# Altium PCB EPS_v3.PcbDoc (part 2 of 2)
Units mm, origin at the board's own origin, x right, y up, seen from the top; angles counter-clockwise.
Board outline 92.5 x 92.5 mm, 4 copper layers (Top Layer, Internal Plane 1, Internal Plane 2, Bottom Layer), stack 0.778 mm thick; 216 components, 118 nets, 685 pads, 77 vias.
Unrouted connection lines stored in the file: 15.
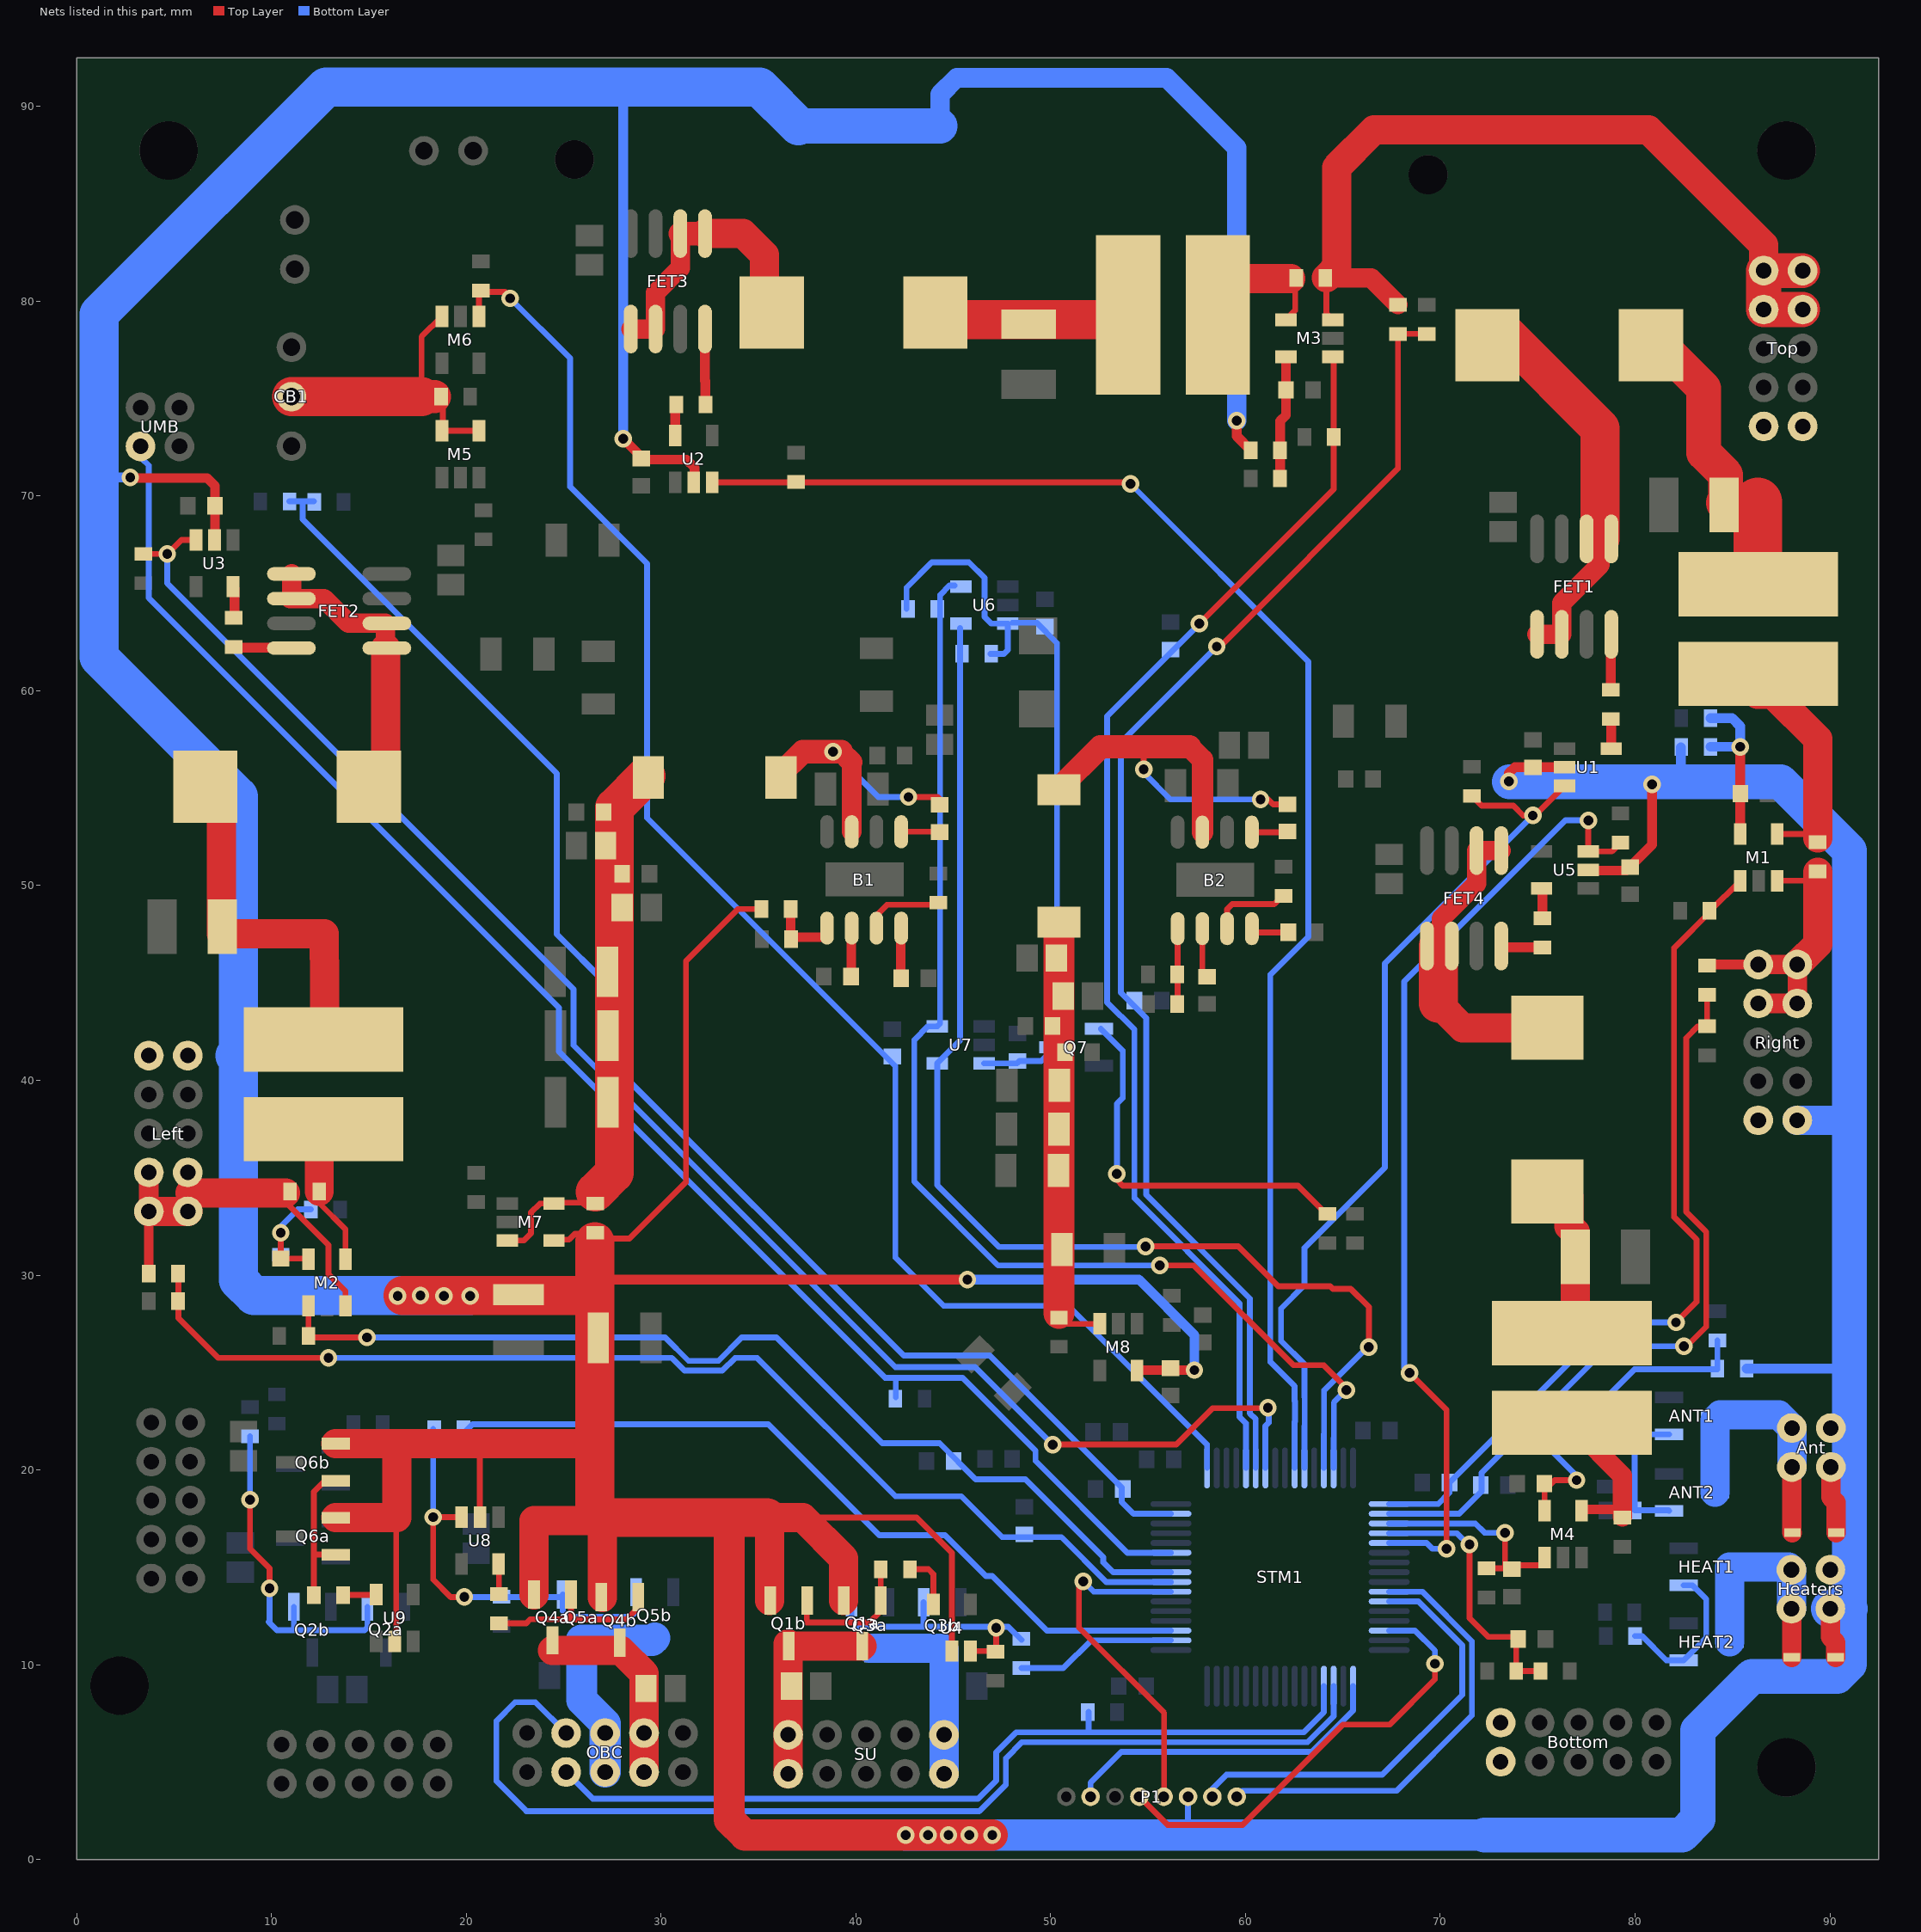
[diagram p4: the nets of this part, all layers, seen from the top]

## Via types
v1: diameter 0.9, hole 0.5, Top Layer to Bottom Layer, 77 vias

## Nets (pads, with @x,y where several pads share a name; then routed paths per layer and width w, separated by ;. In a path a pad name is that pad's centre, name@x,y a point inside that pad or via, vN(x,y) a via of type N, cw(c..) or ccw(c..) an arc to the next point about the centre after c; other vN are vias at no path point) (continued)
IBAT-: C33.2 M6.1 R32.1 STM1.17 | length 81.7
  Top Layer w0.3: M6.1@20.65,79.225 20.65,80.45 20.625,80.475 22,80.475 22.25,80.225 v1(22.25,80.15)
  Bottom Layer w0.3: v1(22.25,80.15) 25.325,77.075 25.325,70.475 29.275,66.525 29.275,53.475 42.025,40.725 42.025,30.9 44.5,28.425 50.9,28.425 58.025,21.3 STM1.17@58.025,20.1
INCURRENT1: C39.2 M1.1 R5.2 STM1.33 | length 44
  Top Layer w0.3: v1(82.1,27.575) 83.15,28.625 83.15,31.825 82,32.975 82,46.8 R5.2@83.975,48.775 ; R5.2@83.825,48.7 83.85,48.7 M1.1@85.4,50.25
  Bottom Layer w0.3: STM1.33@67.375,18.25 69.9,18.25 70.475,18.825 C39.2@70.475,19.35 78.7,27.575 v1(82.1,27.575)
INCURRENT2: C48.2 M2.1 R13.2 STM1.9 | length 51.9
  Top Layer w0.3: R13.2@11.9,26.8 v1@14.85,26.8 ; R13.2@11.9,26.875 M2.1@11.9,28.425
  Bottom Layer w0.3: v1(14.9,26.8) 30.209,26.8 31.409,25.6 32.941,25.6 34.141,26.8 35.925,26.8 41.35,21.375 44.3,21.375 46.15,19.525 48.7,19.525 52.7,15.525 52.7,15.25 53.2,14.75 STM1.9@56.175,14.75
INCURRENT3: C35.2 M3.1 R21.2 STM1.21 | length 64.8
  Top Layer w0.3: v1(57.625,63.45) 64.525,70.35 M3.1@64.525,77.15
  Bottom Layer w0.3: v1@57.637,63.437 52.9,58.7 52.9,44 54.3,42.6 54.3,33.95 59.7,28.55 59.7,22.722 60.025,22.397 STM1.21@60.025,20.1
INCURRENT4: C45.2 M4.1 R29.2 STM1.35 | length 11.3
  Top Layer w0.3: R29.2@72.3,14.95 73.5,14.95 C45.2@73.55,14.9 ; v1(73.325,16.775) 73.325,15.1 M4.1@75.5,15.1
  Bottom Layer w0.3: STM1.35@67.375,17.25 71.8,17.25 72.275,16.775 v1(73.325,16.775)
LEFT: Left.1 Left.2 Left.3 Left.4 M2.3 R7.2 R10.2 | length 20.8
  Top Layer w0.3: R7.2@10.925,34.025 10.925,33.55 12.925,31.55 12.925,30.05 13.8,29.175 M2.3@13.8,28.425
  Top Layer w0.5: R10.2@3.7,30.125 Left.2@3.7,33.275
  Top Layer w1: Left.2@3.7,33.275 Left.4@3.7,35.275 ; Left.1@5.7,33.275 Left.3@5.7,35.275
  Top Layer w1.5: Left.2@3.7,33.275 Left.1@5.7,33.275 ; 5.825,34.225 R7.2@10.725,34.225
NetANT1_1: ANT1.1 ANT2.1 R27.1 | length 7
  Bottom Layer w0.3: ANT2.1@81.75,17.9 81.725,17.925 R27.1@79.975,17.925 79.975,21.1 80.7,21.825 ANT1.1@81.75,21.825
NetANT1_3: ANT1.3 ANT2.3 Ant.1 Ant.2 D5.1 | length 13.4
  Top Layer w1: Ant.2@88.05,20.15 88.05,16.8 D5.1@88.075,16.775
  Bottom Layer w1.5: ANT2.3@84.1,18.85 84.1,22.55 84.375,22.825 87.375,22.825 Ant.1@88.05,22.15 Ant.2@88.05,20.15
NetB1_1: B1.1 C25.1 | length 2.2
  Top Layer w0.3: B1.1@42.327,52.765 44.485,52.765 C25.1@44.5,52.75
NetB1_3: B1.3 C25.2 L9.1 | length 14.9
  Top Layer w0.3: v1(42.7,54.55) 44.2,54.55 44.3,54.45 C25.2@44.3,54.15
  Top Layer w1: B1.3@39.787,52.765 39.787,56.338
  Top Layer w1.1: v1@39.25,56.875 39.787,56.338
  Top Layer w1.2: L9.1@36.025,55.625 37.275,56.875 v1(38.825,56.875) v1@39.25,56.875
  Bottom Layer w0.3: v1(38.825,56.875) 41.15,54.55 v1(42.7,54.55)
NetB1_5: B1.5 RFB1.1 RFB2.2 | length 3.1
  Top Layer w0.5: RFB1.1@36.65,48.65 36.65,47.35 B1.5@38.482,47.35
NetB1_6: B1.6 C30.1 | length 2
  Top Layer w0.5: C30.1@39.762,45.325 B1.6@39.762,47.34
NetB1_7: B1.7 R43.2 | length 3.7
  Top Layer w0.3: B1.7@41.057,47.815 41.057,48.482 41.59,49.015 43.86,49.015 R43.2@43.875,49
NetB1_8: B1.8 C29.2 | length 2.3
  Top Layer w0.5: C29.2@42.302,45.052 B1.8@42.302,47.34
NetB2_1: B2.1 C38.1 | length 1.8
  Top Layer w0.3: B2.1@60.327,52.74 62.135,52.74 C38.1@62.15,52.725
NetB2_3: B2.3 C38.2 L10.1 | length 21.6
  Top Layer w0.3: v1(54.775,55.975) 54.775,57.075 54.825,57.125 ; v1(60.775,54.425) 61.175,54.425 61.425,54.175 C38.2@62.15,54.175
  Top Layer w1.1: 57.125,57.125 57.787,56.463 B2.3@57.787,52.74
  Top Layer w1.2: L10.1@50.425,55 52.55,57.125 54.825,57.125 57.125,57.125
  Bottom Layer w0.3: v1(54.775,55.975) 54.775,55.8 56.15,54.425 v1(60.775,54.425)
NetB2_5: B2.5 RFB3.1 RFB4.2 | length 3.6
  Top Layer w0.3: RFB3.1@56.517,44.025 B2.5@56.517,47.59
NetB2_6: B2.6 C44.1 | length 2.4
  Top Layer w0.3: B2.6@57.787,47.59 57.787,45.363 C44.1@57.875,45.275
NetB2_7: B2.7 R44.2 | length 4.2
  Top Layer w0.3: B2.7@59.057,47.79 59.057,48.782 59.325,49.05 61.475,49.05 R44.2@61.95,49.525
NetB2_8: B2.8 C43.2 | length 1.9
  Top Layer w0.3: B2.8@60.327,47.59 C43.2@62.19,47.59
NetBottom_9: Bottom.9
NetC2_2: C2.2 L1.2 L2.1 | length 15.8
  Top Layer w1.8: L2.1@80.775,78.275 83.525,75.525 83.525,72.219 84.65,71.094 C2.2@84.65,69.65
  Top Layer w2: C2.2@84.65,69.65 84.7,69.7 86.3,69.7
  Top Layer w2.5: L1.2@86.3,65.775 86.3,69.7
NetC8_2: C8.2 M2.5 W3.1 W4.1 | length 6.1
  Top Layer w0.3: v1(10.475,32.175) C8.2@10.475,30.85 M2.5@11.875,30.85
  Bottom Layer w0.3: W3.1@10.475,31.05 v1(10.475,32.175) 10.475,32.5 11.35,33.375 W4.1@12.025,33.375
NetC10_2: C10.2 M1.5 W1.1 W2.1 | length 8.8
  Top Layer w0.5: M1.5@85.4,52.65 C10.2@85.4,54.725 v1(85.4,57.125)
  Bottom Layer w0.5: W1.1@83.875,57.125 85.3,57.125 85.35,57.175 v1(85.4,57.125) 85.4,58.175 84.975,58.6 W2.1@83.875,58.6
NetC11_2: C11.2 M4.5 W7.1 W8.1 | length 16.9
  Top Layer w0.3: M4.5@75.35,17.9 75.35,18.95 75.875,19.475 v1(77,19.475)
  Bottom Layer w0.3: v1(77,19.475) 77.225,19.475 75.748,20.952 79.97,25.175 W7.1@84.225,25.175 ; W7.1@84.225,25.2 W8.1@84.225,26.65
NetC13_2: C13.2 M3.5 W5.1 W6.1 | length 6.4
  Top Layer w0.5: W6.1@61.775,70.9 W5.1@61.775,72.35 61.775,73.85 62.075,74.15 C13.2@62.075,75.45 M3.5@62.075,77.15
NetC15_2: C15.2 L3.2 L4.1 | length 18.7
  Top Layer w1.5: L4.1@6.45,55.1 7.425,54.125 7.425,47.525 12.7,47.525 12.75,42.175 L3.2@12.675,42.1
NetC19_2: C19.2 L5.2 L6.1 | length 10.2
  Top Layer w1.5: L5.2@53.2,80.55 L5.2@53.875,81.225
  Top Layer w2: L6.1@44.45,79.05 48.8,79.05 L5.2@53.725,79.05
NetC22_2: C22.2 L7.2 L8.1 | length 9.5
  Top Layer w1: L8.1@75.05,33.425 75.713,34.088 L8.1@75.95,34.325
  Top Layer w1.5: L8.1@75.95,34.325 76.325,34.325 76.6,34.05 76.6,32.525 76.925,32.2 76.925,31.1 L7.2@76.925,26.725
NetC27_2: C27.2 C76.1 C77.1 C78.1 C82.2 C83.2 C86.1 L9.2 M7.3 M7.5 R37.2 | length 28.4
  Top Layer w0.3: M7.3@22.1,31.775 22.95,31.775 23.325,32.15 23.325,33.225 23.775,33.675 M7.5@24.5,33.675 ; M7.5@24.45,33.725 R37.2@26.625,33.725
  Top Layer w2: 26.625,34.275 27.6,35.25 27.6,54 L9.2@29.225,55.625
NetC41_2: C41.2 C71.2 C72.2 C73.2 C79.2 C84.2 C85.2 C87.1 L10.2 M8.3 R40.2 | length 22.2
  Top Layer w0.3: R40.2@50.425,27.65 50.575,27.5 M8.3@52.525,27.5
  Top Layer w1.6: R40.2@50.425,28.05 L10.2@50.425,48.125
NetC55_1: C55.1 C60.1 Q7.3 R59.1 R60.1 U6.3 U7.3 | length 39.2
  Bottom Layer w0.3: R59.1@42.6,64.2 42.6,65.3 43.9,66.6 45.8,66.6 46.6,65.8 46.6,63.8 46.95,63.45 U6.3@47.8,63.45 47.8,62.1 47.6,61.9 R60.1@46.9,61.9 ; U7.3@46.575,40.875 48.275,40.875 48.4,41 49.525,41 50.325,41.8 50.325,62.45 49.275,63.5 U6.3@48.025,63.5
NetCB1_2: CB1.2 M5.4 M5.5 M6.3 R31.2 | length 15.6
  Top Layer w0.3: 17.7,75.1 17.7,78.175 M6.3@18.75,79.225 ; R31.2@18.85,75.1 18.8,75.05 18.8,73.35 M5.4@20.7,73.35
  Top Layer w1.7: 17.7,75.1 R31.2@18.375,75.1
  Top Layer w2: CB1.2@11.025,75.1 17.7,75.1
NetD1_1: Top.10
NetD2_1: Left.10
NetD3_1: Right.9
NetD6_1: D6.1 HEAT1.3 HEAT2.3 Heaters.1 Heaters.2 | length 11.6
  Top Layer w1: Heaters.2@88.025,12.875 88.05,12.85 D6.1@88.05,10.375
  Bottom Layer w1.5: HEAT2.3@84.85,11.175 HEAT1.3@84.85,15.025 87.875,15.025 Heaters.1@88.025,14.875 Heaters.2@88.025,12.875
NetDEPLOY1_1: 
NetDEPLOY2_2: 
NetDEPLOY3_1: 
NetDEPLOY4_1: 
NetFET1_1: FET1.1 FET1.2 FET1.5 FET1.6 L2.2 | length 19.5
  Top Layer w1: FET1.1@74.97,62.9 FET1.2@76.24,62.9 76.24,64.515 78.2,66.475 78.2,67.8
  Top Layer w2: L2.2@73.35,78.325 78.2,73.475 78.2,67.8
NetFET1_4: FET1.4 R6.2 | length 2.9
  Top Layer w0.5: R6.2@78.75,60.05 78.75,62.87 FET1.4@78.78,62.9
NetFET2_1: FET2.1 FET2.2 FET2.5 FET2.6 L4.2 | length 15.5
  Top Layer w1: FET2.2@10.95,64.735 12.69,64.735 13.95,63.475 FET2.6@15.84,63.475 ; FET2.2@11.035,64.75 FET2.1@11.035,66.02 ; L4.2@14.85,55.1 L4.2@15.85,56.1 ; FET2.5@15.85,62.195 FET2.6@15.85,63.465
  Top Layer w1.5: L4.2@15.85,56.1 FET2.5@15.85,62.195
NetFET2_4: FET2.4 R14.2 | length 3
  Top Layer w0.5: R14.2@8.05,62.21 FET2.4@11.035,62.21
NetFET3_1: FET3.1 FET3.2 FET3.5 FET3.6 L6.2 | length 14.6
  Top Layer w1: FET3.1@28.445,78.575 FET3.2@29.715,78.575 29.715,80.44 30.985,81.71 FET3.6@30.985,83.475
  Top Layer w1.2: FET3.6@30.985,83.475 FET3.5@32.255,83.475
  Top Layer w1.5: FET3.5@32.255,83.475 34.2,83.475 35.3,82.375 35.3,79.8 L6.2@35.675,79.425
NetFET3_4: FET3.4 R22.2 | length 3.9
  Top Layer w0.5: 32.25,75.925 32.275,75.9 R22.2@32.275,74.6 ; 32.255,75.97 FET3.4@32.255,78.575
NetFET4_1: FET4.1 FET4.2 FET4.5 FET4.6 L8.2 | length 15.4
  Top Layer w1: 70.05,47.44 70.05,48.3 71.86,50.11 FET4.6@71.86,51.8 FET4.5@73.13,51.8
  Top Layer w1.5: 69.9,43.95 71.15,42.7 L8.2@75.5,42.7
  Top Layer w2: 69.9,43.95 69.9,46.162 69.9,46.9
NetFET4_4: FET4.4 R30.2 | length 1.9
  Top Layer w0.5: FET4.4@73.205,46.825 R30.2@75.075,46.825
NetHEAT1_1: HEAT1.1 HEAT2.1 R25.1 | length 8.1
  Bottom Layer w0.3: R25.1@80,11.475 80.35,11.475 81.6,10.225 HEAT2.1@82.5,10.225 83.65,11.375 83.65,13.375 82.95,14.075 HEAT1.1@82.5,14.075
NetL1_1: L1.1 M1.4 R1.1 | length 11.3
  Top Layer w0.3: M1.4@87.3,52.65 89.175,52.65 R1.1@89.375,52.45
  Top Layer w1.5: L1.1@86.3,59.825 87.075,59.825 89.375,57.525 R1.1@89.375,52.45
NetL3_1: L3.1 M2.4 R7.1 | length 7.6
  Top Layer w0.3: R7.1@12.45,34.3 12.45,33.7 13.8,32.35 M2.4@13.8,30.825
  Top Layer w1: L3.1@9.8,37.6 L3.1@10.2,37.2
  Top Layer w1.5: R7.1@12.45,34.3 L3.1@12.45,37.275
NetL5_1: L5.1 M3.4 R15.1 | length 6.1
  Top Layer w0.3: M3.4@62.075,79.05 62.55,79.525 R15.1@62.55,81.2
  Top Layer w1.5: L5.1@58.525,81.175 R15.1@62.325,81.175
NetL7_1: L7.1 M4.4 R23.1 | length 7.2
  Top Layer w0.5: M4.4@77.275,17.975 78.975,17.975
  Top Layer w1: L7.1@76.925,22.125 79.35,19.7 R23.1@79.35,17.6
NetQ1a_1: Q1a.1 Q1b.1 R33.1 | length 7
  Top Layer w0.3: Q1b.1@37.475,12.975 37.475,12.175 40.7,12.175 41.275,12.75 41.275,12.975 R33.1@41.275,14.9
NetQ2a_1: Q2a.1 Q2b.1 R41.1 | length 17.5
  Top Layer w0.3: v1(8.9,18.475) 8.9,15.95 9.9,14.95 v1(9.9,13.925)
  Bottom Layer w0.3: v1(8.9,18.475) R41.1@8.9,21.725 ; v1(9.9,13.925) 9.9,12.247 9.851,12.199 10.275,11.775 11.15,11.775 ; Q2b.1@11.15,12.975 11.15,11.775 ; Q2a.1@14.925,12.975 14.925,11.925 14.775,11.775 11.15,11.775
NetQ4a_1: Q4a.1 Q4b.1 R55.1 | length 9.6
  Top Layer w0.3: R55.1@21.85,11.95 R55.1@21.675,12.125 23.075,12.125 23.288,12.338 25.375,12.338 ; Q4a.1@25.375,13.6 25.375,12.338 ; Q4b.1@28.825,13.475 28.825,12.925 28.225,12.325 25.387,12.325 25.375,12.338
NetQ6a_1: Q6a.1 Q6b.1 R63.1 | length 7.8
  Top Layer w0.3: R63.1@12.175,13.575 12.175,15.65 ; Q6a.1@13.3,15.65 12.175,15.65 ; Q6b.1@13.3,19.45 12.75,19.45 12.175,18.875 12.175,15.65
NetQ7_1: Q7.1 R58.1 | length 19.9
  Top Layer w0.305: v1(53.4,35.2) 53.4,34.9 53.7,34.6 62.7,34.6 R58.1@64.2,33.1
  Bottom Layer w0.305: Q7.1@52.575,42.65 53.7,41.525 53.7,39.1 53.4,38.8 v1(53.4,35.2)
NetR6_1: R6.1 U1.5 | length 1.6
  Top Layer w0.5: U1.5@78.775,57.025 R6.1@78.775,58.625
NetR14_1: R14.1 U3.5 | length 1.6
  Top Layer w0.5: U3.5@8.05,65.3 8.1,65.25 R14.1@8.1,63.75
NetR22_1: R22.1 U2.5 | length 1.6
  Top Layer w0.5: U2.5@30.725,73.1 30.725,74.65 R22.1@30.75,74.675
NetR30_1: R30.1 U5.5 | length 1.5
  Top Layer w0.5: R30.1@75.25,48.325 U5.5@75.25,49.825
NetR33_2: R33.2 U4.5 | length 2.9
  Top Layer w0.3: R33.2@42.775,14.9 43.725,14.9 43.975,14.65 U4.5@43.975,13.1
NetR55_2: R55.2 U8.5 | length 1.6
  Top Layer w0.3: U8.5@21.65,15.175 21.675,15.15 R55.2@21.675,13.625
NetR63_2: R63.2 U9.5 | length 1.7
  Top Layer w0.3: R63.2@13.675,13.575 U9.5@15.35,13.575
NRST: P1.5 STM1.7 | length 17.7
  Top Layer w0.3: v1(51.675,14.275) 51.45,14.05 51.45,11.9 55.825,7.525 P1.5@55.825,3.225
  Bottom Layer w0.3: v1(51.675,14.275) 52.2,13.75 STM1.7@56.175,13.75
OBC_3_3V: C37.2 OBC.5 OBC.6 Q5a.3 Q5b.3 | length 11.1
  Bottom Layer w1.6: Q5a.3@25.9,11.25 Q5a.3@25.925,11.25 ; OBC.5@27.125,4.492 OBC.6@27.125,6.492 27.125,6.984 25.925,8.184 Q5a.3@25.925,11.25 ; Q5b.3@29.675,11.375 29.55,11.25 Q5a.3@25.925,11.25
OBC_5V: C57.1 OBC.7 OBC.8 Q4a.3 Q4b.3 | length 10.1
  Top Layer w1.5: Q4a.3@24.425,10.725 Q4b.3@27.925,10.725 ; Q4b.3@28,10.675 29.125,9.55 OBC.8@29.125,6.492 OBC.7@29.125,4.492
OBC_ONOFF: R56.2 STM1.3 | length 40.9
  Bottom Layer w0.3: R56.2@19.825,21.85 20.325,22.35 35.5,22.35 41.2,16.65 44.575,16.65 46.675,14.55 47,14.55 49.8,11.75 STM1.3@56.175,11.75
OBC_ONOFFF2: Q5a.1 Q5b.1 R54.1 R56.1 U8.3 | length 22.1
  Top Layer w0.3: U8.3@19.75,17.575 v1(18.3,17.575) 18.3,14.375 19.2,13.475 v1(19.9,13.475)
  Bottom Layer w0.3: v1(18.3,17.575) R56.1@18.3,22.1 ; v1(19.9,13.475) Q5a.1@24.95,13.475 ; Q5a.1@24.95,13.6 Q5a.1@24.95,13.475 ; Q5b.1@28.725,13.725 28.725,12.725 28.45,12.45 25.25,12.45 24.95,12.75 Q5a.1@24.95,13.475
PA13: P1.4 STM1.46 | length 23.1
  Top Layer w0.3: P1.4@54.55,3.225 56,1.775 59.85,1.775 65,6.925 67.4,6.925 69.725,9.25 v1(69.725,10.05)
  Bottom Layer w0.3: STM1.46@67.375,11.75 68.7,11.75 69.725,10.725 v1(69.725,10.05)
PA14: P1.2 STM1.49 | length 17
  Bottom Layer w0.3: P1.2@52.05,3.225 52.05,3.95 53.625,5.525 63.4,5.525 65.525,7.65 STM1.49@65.525,8.9
PC3: R62.1 STM1.11 UMB.3 | length 83.3
  Bottom Layer w0.3: UMB.3@3.375,72.55 3.375,71.9 3.7,71.575 3.7,64.775 24.75,43.725 24.75,41.475 41.5,24.725 45.475,24.725 49.225,20.975 49.225,20.457 53.932,15.75 STM1.11@56.175,15.75 ; R62.1@42.05,23.725 42.05,24.725
PWM1: R4.1 STM1.27 U1.3 | length 45.1
  Top Layer w0.3: R4.1@71.625,54.6 72.125,54.1 73.75,54.1 74.25,53.6 v1(74.75,53.6) v1@74.975,53.825 ; v1@75.075,53.825 U1.3@76.375,55.125
  Bottom Layer w0.3: STM1.27@63.025,20.1 63.025,22.254 63.035,22.265 63.035,23.735 63.025,23.746 63.025,25.425 61.825,26.625 61.825,28.286 63.025,29.486 63.025,31.4 67.15,35.525 67.15,46 v1(74.75,53.6)
PWM2: R12.1 STM1.23 U3.3 | length 85.1
  Top Layer w0.3: R12.1@3.375,67.025 v1(4.65,67.025) 5.375,67.75 U3.3@6.2,67.75 ; v1(50.1,21.3) 56.45,21.3 58.325,23.175 61.125,23.175 v1(61.15,23.2)
  Bottom Layer w0.3: v1(4.65,67.025) 4.65,65.525 25.5,44.675 25.5,41.8 42.025,25.275 46.125,25.275 v1(50.1,21.3) ; STM1.23@61.025,20.1 61.025,22.25 61.2,22.425 61.2,23.15 v1(61.15,23.2)
PWM3: R20.1 STM1.26 U2.3 | length 77.1
  Top Layer w0.3: U2.3@32.625,70.7 54.025,70.7 v1(54.1,70.625)
  Bottom Layer w0.3: v1(54.1,70.625) 63.225,61.5 63.225,47.375 61.275,45.425 61.275,25.55 62.525,24.3 62.525,23.538 62.535,23.528 62.535,22.472 62.525,22.462 STM1.26@62.525,20.1
PWM4: R28.1 STM1.37 U5.3 | length 49.4
  Top Layer w0.3: v1(68.425,24.975) 70.325,23.075 v1(70.325,15.95) ; v1(77.6,53.35) U5.3@77.6,51.75 78.8,51.75 R28.1@79.25,52.2
  Bottom Layer w0.3: STM1.37@67.375,16.25 69.3,16.25 69.6,15.95 v1(70.325,15.95) ; v1(68.425,24.975) 68.15,25.25 68.15,45.075 76.425,53.35 v1(77.6,53.35)
RIGHT: M1.3 R1.2 R2.2 Right.1 Right.2 Right.3 Right.4 | length 15.9
  Top Layer w0.3: M1.3@87.3,50.25 88.95,50.25 R1.2@89.375,50.675
  Top Layer w0.5: R2.2@83.875,45.95 Right.1@86.325,45.95
  Top Layer w1: Right.3@86.325,43.95 Right.4@88.325,43.95 Right.2@88.325,45.95 Right.1@86.325,45.95
  Top Layer w1.5: Right.2@88.325,45.95 89.375,47 R1.2@89.375,50.675
RX: OBC.3 R61.2 STM1.52 | length 44.6
  Bottom Layer w0.3: OBC.3@25.125,4.492 26.492,3.125 46.275,3.125 47.2,4.05 47.2,5.5 48.225,6.525 51.975,6.525 ; R61.2@51.95,7.575 51.95,6.55 51.975,6.525 ; STM1.52@64.025,8.9 64.025,7.564 62.986,6.525 51.975,6.525
RX2: P1.7 STM1.43 | length 22.5
  Bottom Layer w0.3: P1.7@58.3,3.225 58.3,3.625 58.4,3.725 59.025,4.35 67.025,4.35 71.125,8.45 71.125,11 68.875,13.25 STM1.43@67.375,13.25
SCL: R60.2 STM1.29 U6.4 U7.4 | length 63.1
  Top Layer w0.305: v1(54.875,31.475) 59.625,31.475 61.675,29.425 64.35,29.425 64.475,29.3 65.4,29.3 66.329,28.371 v1(66.329,26.302)
  Bottom Layer w0.3: STM1.29@64.025,20.1 64.025,21.84 64.035,21.851 64.035,24.092 66.246,26.302 v1(66.329,26.302)
  Bottom Layer w0.305: U6.4@45.35,63.225 45.35,42.05 U7.4@44.175,40.875 44.175,34.625 47.352,31.448 54.848,31.448 v1(54.875,31.475)
SDA: R59.2 STM1.30 U6.5 U7.5 | length 63.1
  Top Layer w0.3: v1(55.6,30.5) 57.34,30.5 62.465,25.375 64.025,25.375 65.15,24.25 65,24.1 v1(65.175,24.1)
  Bottom Layer w0.3: U6.5@45.075,65.4 44.8,65.4 44.325,64.925 44.325,42.925 U7.5@44.175,42.775 43.7,42.775 43,42.075 43,34.8 47.3,30.5 v1(55.6,30.5) ; STM1.30@64.525,20.1 64.525,21.633 64.535,21.643 64.535,23.46 v1(65.175,24.1)
SU_3_3V: C56.2 Q3a.3 Q3b.3 SU.1 SU.2 | length 10.2
  Bottom Layer w1.5: Q3a.3@40.725,10.85 Q3b.3@44.425,10.85 44.525,10.75 SU.2@44.525,6.4 SU.1@44.525,4.4
SU_5V: C24.2 Q1a.3 Q1b.3 SU.9 SU.10 | length 10.4
  Top Layer w1.5: SU.9@36.525,4.4 SU.10@36.525,6.4 Q1b.3@36.525,11.075 ; Q1b.3@36.55,10.95 Q1a.3@40.325,10.95
SU_ONOFF: R42.2 STM1.2 | length 8.3
  Bottom Layer w0.3: R42.2@48.5,9.825 50.65,9.825 52.075,11.25 STM1.2@56.175,11.25
SU_ONOFF2: Q3a.1 Q3b.1 R42.1 R51.1 U4.3 | length 13.8
  Top Layer w0.3: U4.3@45.875,10.7 R51.1@47.1,10.7 ; R51.1@47.175,10.625 47.15,10.65 47.2,10.7 v1(47.2,11.9)
  Bottom Layer w0.3: Q3a.1@39.775,13.075 39.775,12.25 40.075,11.95 43.55,11.95 ; Q3b.1@43.475,13.2 43.475,12.025 43.55,11.95 ; R42.1@48.5,11.275 47.825,11.95 43.55,11.95
TOP: M3.3 R15.2 R16.2 Top.1 Top.2 Top.3 Top.4 | length 44.9
  Top Layer w0.3: R15.2@64.15,81.2 64.15,79.375 M3.3@64.475,79.05
  Top Layer w1: R15.2@64.15,81.2 66.45,81.2 R16.2@67.825,79.825
  Top Layer w1.5: R15.2@64.15,81.2 64.675,81.725 64.675,86.87 66.6,88.795 80.685,88.795 86.6,82.88 Top.1@86.6,81.575
  Top Layer w1.8: Top.4@88.6,79.575 Top.3@86.6,79.575 Top.1@86.6,81.575 Top.2@88.6,81.575
TX: OBC.4 STM1.51 | length 55.7
  Bottom Layer w0.3: 23.075,2.475 46.332,2.475 47.7,3.843 47.7,5.2 48.525,6.025 63.193,6.025 64.525,7.357 STM1.51@64.525,8.9 ; 23.075,2.5 21.545,4.03 21.545,7.12 22.5,8.075 23.542,8.075 OBC.4@25.125,6.492
TX2: P1.8 STM1.42 | length 23.8
  Bottom Layer w0.3: P1.8@59.55,3.225 59.85,3.525 67.75,3.525 71.625,7.4 71.625,11.207 69.082,13.75 STM1.42@68.25,13.75 ; STM1.42@68.25,13.75 STM1.42@67.375,13.75 STM1.42@68.25,13.75
VBAT: C31.2 R34.1 R36.2 STM1.15 | length 75.4
  Bottom Layer w0.3: 46.875,25.875 53.65,19.1 53.65,18.35 54.25,17.75 STM1.15@56.175,17.75
  Bottom Layer w0.305: R34.1@10.925,69.725 11.6,69.725 ; R36.2@12.175,69.725 11.6,69.725 ; 46.875,25.875 42.45,25.875 27.15,41.175 27.15,45 24.65,47.5 24.65,55.75 11.6,68.8 11.6,69.725
VCC: Ant.3 Ant.4 Bottom.10 C5.2 C6.2 C7.2 C9.2 C12.2 C74.1 C75.1 D5.2 D6.2 Heaters.3 Heaters.4 Left.9 M7.4 M8.5 P1.6 Q1a.2 Q1b.2 Q4a.2 Q4b.2 Q6a.2 Q6b.2 R37.1 RFB1.2 Right.10 Top.9 U1.2 U2.2 U3.2 U4.2 U5.2 U8.2 U9.2 W1.2 W3.2 W5.2 W7.2 | length 515.5
  Top Layer w0.3: U9.2@16.325,11.2 16.4,11.275 16.4,17.525 16.425,17.55 ; U8.2@20.7,17.575 20.7,21.35 ; M7.4@24.45,31.825 25.275,31.825 25.575,32.125 R37.1@26.375,32.125 ; R37.1@27.025,31.875 28.375,31.875 31.275,34.775 31.275,46.121 33.954,48.8 35,48.8 RFB1.2@35.15,48.65 ; 37.275,17.55 43.125,17.55 44.925,15.75 U4.2@44.925,10.7
  Top Layer w0.5: v1(2.75,70.95) 2.75,70.925 6.7,70.925 7.1,70.525 U3.2@7.1,67.7 ; Left.9@5.7,41.275 Left.9@5.725,41.3 ; 26.95,29.775 v1(45.725,29.775) ; v1(28.05,72.95) 29.125,71.875 31.3,71.875 31.725,71.45 U2.2@31.725,70.675 ; M8.5@54.425,25.1 54.45,25.125 v1(57.375,25.125) ; v1(59.55,73.875) 59.55,73.075 W5.2@60.275,72.35 ; v1(73.525,55.35) 73.525,55.775 73.825,56.075 C7.2@74.75,56.075 U1.2@76.375,56.075 ; U5.2@77.65,50.775 79.55,50.775 80.875,52.1 v1(80.875,55.2)
  Top Layer w1: Heaters.4@90.025,12.875 90.025,11.425 90.3,11.15 D6.2@90.3,10.375 ; Ant.4@90.05,20.15 90.05,18.6 90.325,18.325 D5.2@90.325,16.775
  Top Layer w1.5: Q6a.2@13.3,17.55 16.425,17.55 16.425,21.35 ; Q6b.2@13.3,21.35 16.425,21.35 ; Q4a.2@23.475,13.575 23.475,17.4 26.8,17.4 26.95,17.55 ; 26.6,17.9 26.95,17.55 ; 26.6,20.9 26.15,21.35 20.7,21.35 16.425,21.35 ; Q4b.2@26.975,13.45 26.975,17.525 26.95,17.55 ; Q1b.2@35.575,13.3 35.575,17.4 35.425,17.55 37.275,17.55 39.375,15.45 Q1a.2@39.375,13.3
  Top Layer w1.6: 33.5,17.55 33.5,2.05 34.3,1.25 v1(47,1.25)
  Top Layer w2: v1@16.75,28.95 26.55,28.95 26.6,29 ; 26.6,17.9 26.6,20.9 26.6,29 ; 26.6,31.725 26.6,29 ; 26.95,17.55 33.5,17.55 35.425,17.55
  Bottom Layer w0.3: 57.05,1.275 P1.6@57.05,3.225
  Bottom Layer w0.5: 1.15,70.55 1.55,70.95 ; 1.15,70.95 v1(2.75,70.95) ; v1(28.05,72.95) 28.05,91.075 28.3,91.325 ; v1(45.725,29.775) 54.525,29.775 57.375,26.925 v1(57.375,25.125) ; v1@80.475,55.325 80.6,55.2 v1(80.875,55.2) ; 82.35,55.4 W1.2@82.35,57.1 ; W7.2@85.725,25.2 90.775,25.2 90.8,25.175 91,25.375
  Bottom Layer w1: 44.325,89 44.325,90.625 45.175,91.475 55.95,91.475 59.55,87.875 v1(59.55,73.875) ; 90.9,37.95 91,38.05 ; 90.95,12.875 91,12.825
  Bottom Layer w1.5: Right.10@88.325,37.95 90.9,37.95
  Bottom Layer w1.6: v1(42.55,1.25) 72.275,1.25
  Bottom Layer w1.8: 37.05,89 44.325,89 ; 72.275,1.25 82.4,1.25 83.225,2.075 83.225,6.625 86,9.4 90.375,9.4 91,10.025 91,12.825 91,25.375 91,38.05 91,51.8 87.475,55.325 80.475,55.325 v1@73.55,55.325
  Bottom Layer w2: 8.125,41.275 8.3,41.1 ; v1@20.2,28.95 9.1,28.95 8.3,29.75 8.3,41.1 ; 37.05,89 35.05,91 12.8,91 1.15,79.35 1.15,61.725 8.3,54.575 8.3,41.1 ; Heaters.4@90.025,12.875 90.95,12.875
  other v1: 43.7,1.25 44.75,1.25 45.825,1.25 16.475,28.925 18.85,28.925 20.2,28.925 17.65,28.95
VIN1: C42.2 R2.1 R3.2 STM1.34 | length 39
  Top Layer w0.3: v1(82.5,26.35) 82.657,26.35 83.65,27.343 83.65,32.225 82.625,33.25 82.625,42.175 83.225,42.775 R3.2@83.7,42.775 R2.1@83.7,44.4
  Bottom Layer w0.3: STM1.34@67.375,17.75 70.975,17.75 72.125,18.9 72.125,19.85 78.625,26.35 v1(82.5,26.35)
VIN2: C47.2 R10.1 R11.2 STM1.8 | length 59.4
  Top Layer w0.3: R10.1@5.225,30.075 5.225,27.8 7.275,25.75 v1(12.925,25.75)
  Bottom Layer w0.3: v1(12.925,25.75) 30.552,25.75 31.202,25.1 33.148,25.1 33.798,25.75 34.925,25.75 42.025,18.65 45.403,18.65 47.503,16.55 50.55,16.55 52.85,14.25 STM1.8@56.175,14.25
VIN3: C36.2 R16.1 R19.2 STM1.22 | length 68.6
  Top Layer w0.3: v1(58.525,62.275) 58.7,62.275 67.825,71.4 R16.1@67.825,78.325 R19.2@69.3,78.325
  Bottom Layer w0.3: v1(58.525,62.275) 53.6,57.35 53.6,44.5 54.9,43.2 54.9,34.125 60.225,28.8 60.225,22.904 60.525,22.604 STM1.22@60.525,20.1
VIN4: C46.2 R24.1 R26.2 STM1.36 | length 13.9
  Top Layer w0.3: v1(71.5,16.175) 71.5,12.394 72.469,11.425 73.9,11.425 R26.2@73.9,9.675 R24.1@75.15,9.675
  Bottom Layer w0.3: STM1.36@67.375,16.75 70.85,16.75 71.425,16.175 v1(71.5,16.175)
pads on no net: STM1.1 STM1.14 STM1.24 STM1.38 STM1.44 STM1.50 STM1.53 STM1.54 STM1.55 STM1.56 STM1.57 STM1.58 STM1.59 STM1.61 STM1.62 U1.1 U2.1 U3.1 U4.1 U5.1 U6.1 U7.1 U8.1 U9.1
copper on no net: | length 144.9
  Top Layer w0.254: 7.768,87.75 cw(c4.725,87.75) 7.768,87.778 ; 0.383,6.538 ccw(c2.2,8.925) 0.405,11.329 0.383,11.306 0.383,6.538 ; 90.793,87.75 ccw(c87.75,87.75) 90.793,87.75 ; 90.818,4.725 ccw(c87.775,4.725) 90.818,4.725
  Bottom Layer w0.254: 0.351,11.149 cw(c2.2,8.925) 0.414,6.65 ; 4.452,84.757 cw(c4.725,87.75) 7.715,88.052 4.455,84.792 ; 90.793,87.75 ccw(c87.75,87.75) 90.793,87.75 ; 90.818,4.725 ccw(c87.775,4.725) 90.818,4.725

## Polygon pours and split planes (outlines as drawn)
GND on Top Layer "Top Layer-No Net" (solid, pour order 4): 0,92.5 92.5,92.5 92.5,0 0,0
no net on Top Layer "Top Layer-No Net 1" (solid, pour order 12): 6.15,5.65
no net on Top Layer "Top Layer-No Net 2" (solid, pour order 8): -1.075,5.525
GND on Bottom Layer "Top Layer-No Net" (solid, pour order 6): 0,92.5 92.5,92.5 92.5,0 0,0
no net on Bottom Layer "Bottom Layer-No Net" (solid, pour order 16): 18.4,-0.45
no net on Internal Plane 1 (split plane): 48.721,16.696 48.721,0.51 32.879,0.51 32.879,16.796 34.129,18.046 47.371,18.046
no net on Internal Plane 1 (split plane): 91.99,24.679 74.4,24.679 74.35,24.67 74.308,24.642 70.446,20.779 62.975,20.779 62.925,20.77 62.883,20.742 60.721,18.579 50.55,18.579 50.5,18.57 50.458,18.542 48.85,16.933 47.517,18.267 47.475,18.295 47.425,18.304 34.075,18.304 34.025,18.295 33.983,18.267 32.658,16.942 32.63,16.9 32.621,16.85 32.621,0.51 0.51,0.51 0.51,91.99 91.99,91.99
no net on Internal Plane 1 (split plane): 91.99,0.51 84.104,0.51 84.104,24.35 84.095,24.4 84.081,24.421 91.99,24.421
no net on Internal Plane 1 (split plane): 67.871,0.51 48.979,0.51 48.979,16.696 50.604,18.321 60.775,18.321 60.825,18.33 60.867,18.358 63.029,20.521 67.871,20.521
no net on Internal Plane 1 (split plane): 83.846,24.296 83.846,0.51 68.129,0.51 68.129,20.521 70.5,20.521 70.55,20.53 70.592,20.558 74.454,24.421 83.721,24.421
no net on Internal Plane 2 (split plane): 91.99,0.51 0.51,0.51 0.51,91.99 91.99,91.99

## Other copper
Bottom Layer:
  pour cut-out: 18.625,8.525
  pour cut-out: 21.975,-0.8
  pour cut-out: 30.35,-0.15
  pour cut-out: 28.2,1.375
Internal Plane 1 (plane layer: these items are gaps in the copper):
  lines w0.254: 32.75,0.175 32.75,16.85 34.075,18.175 47.425,18.175 48.85,16.75 ; 48.9,0.025 48.85,0.075 48.85,16.75 ; 67.925,0.175 68,0.25 68,20.6 ; 83.8,24.55 83.775,24.55 83.975,24.35 83.975,0.325 ; 92.45,24.55 74.4,24.55 70.5,20.65 62.975,20.65 60.775,18.45 50.55,18.45 48.85,16.75

## Silkscreen, mask and mechanical layers (free items; w line width, h text height)
Top Overlay:
  drawing of 3351 lines, arcs and shapes, not listed
  text "32.75, 35.9" at 35.725,102.225 h1.52
  text "EPS" at 35.025,63.85 h9
Bottom Overlay:
  drawing of 2386 lines, arcs and shapes, not listed
  text "McGill Space Group" at 83.25,89.3 h1.52
  text "LEMEC" at 11.675,60.6 h1.52
Drill Guide:
  pour cut-out: 31.575,11.25